# Altium PCB Iris.PcbDoc (part 1 of 13) (continued)
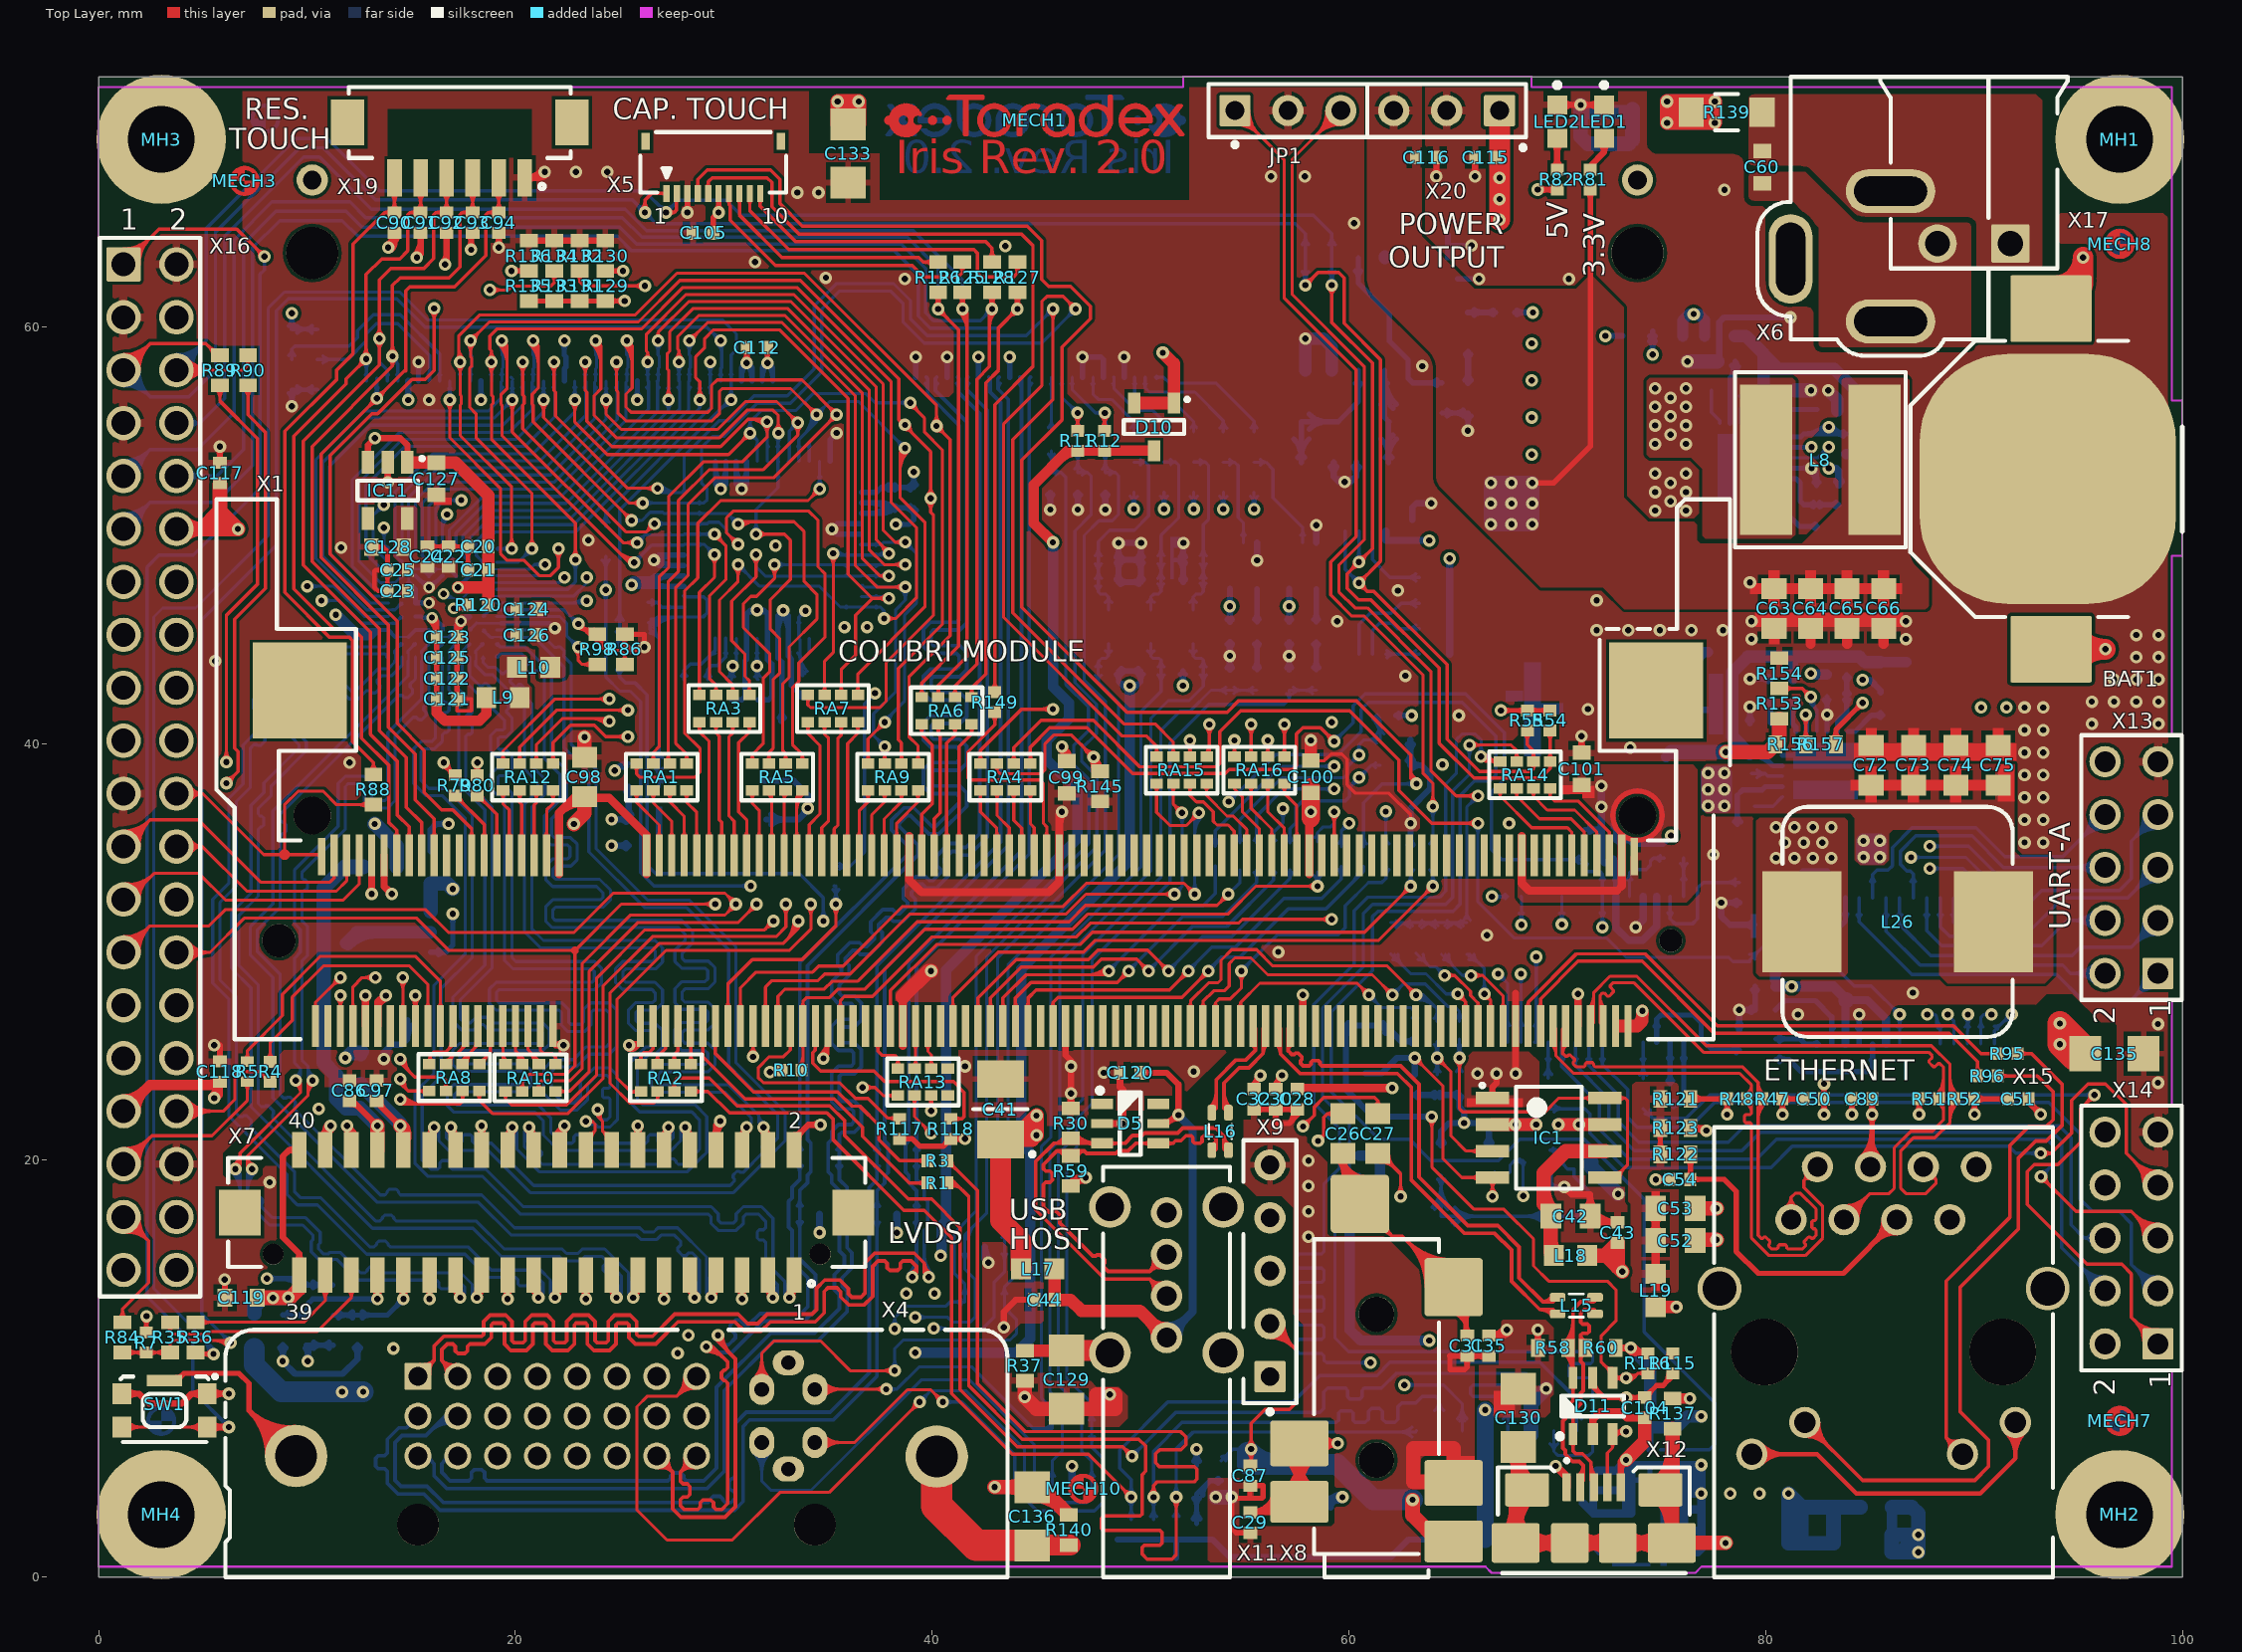
[diagram p0: Top Layer view]
## Components (designator, comment, footprint, x,y, rotation, side; value= is the part's Value field where it differs from the comment) (continued)
C105 "100nF" CAPC1005X60N 29.007,64.516 r0 top
C112 "100nF" CAPC1005X60N 31.598,59.004 r180 top
C115 "100nF" CAPC1005X60N 66.551,68.13 r0 top
C116 "100nF" CAPC1005X60N 63.716,68.13 r0 top
C117 "100nF" CAPC1005X60N 5.817,52.993 r270 top
C118 "100nF" CAPC1005X60N 5.817,24.257 r270 top
C119 "100nF" T_CAPC0603X33N 6.833,13.411 r0 top
C120 "100nF" CAPC1005X60N 49.504,24.206 r0 top
C121 "100nF" CAPC1005X60N 16.713,42.139 r180 top
C122 "100nF" CAPC1005X60N 16.713,43.129 r180 top
C123 "10nF" CAPC1005X60N 16.713,45.118 r180 top
C124 "100nF" CAPC1005X60N 20.549,46.457 r0 top
C125 "10nF" CAPC1005X60N 16.713,44.128 r180 top
C126 "10nF" CAPC1005X60N 20.549,45.212 r0 top
C127 "1uF" T_CAPC0603X33N 16.205,52.705 r90 top
C128 "1uF" T_CAPC0603X33N 13.868,49.428 r0 top
C129 "1nF" T_CAPC1206X180N 46.457,9.474 r90 top
C130 "1nF" T_CAPC1206X180N 68.123,7.645 r270 top
C131 "1nF" T_CAPC1206X180N 84.658,1.626 r0 bottom
C132 "100nF" CAPC1005X60N 63.043,50.241 r270 bottom
C133 "1nF" T_CAPC1206X180N 35.966,68.326 r270 top
C134 "1nF" T_CAPC1206X180N 75.006,70.3 r180 bottom
C135 "1nF" T_CAPC1206X180N 96.749,25.121 r0 top
C136 "1nF" T_CAPC1206X180N 44.806,2.921 r270 top
C137 "1nF" CAPC1005X60N 75.59,3.251 r180 bottom
C138 "100nF" CAPC1005X60N 75.59,1.184 r180 bottom
C139 "22uF" T_CAPC0805X125N 73.558,2.134 r270 bottom
D1 "RCLAMP0504S" T_SOT95P285X90-6N#1 38.303,18.763 r90 bottom
D2 "RCLAMP0504S" T_SOT95P285X90-6N#1 34.595,18.771 r90 bottom
D3 "RCLAMP0504S" T_SOT95P285X90-6N#2 46.711,5.791 r90 bottom
D4 "RCLAMP0504S" T_SOT95P285X90-6N#2 42.52,14.554 r270 bottom
D5 "RCLAMP0504S" T_SOT95P285X90-6N#3 49.504,21.768 r0 top
D6 "TPD2EUSB30DRTR" T_TI_TPD2EUSB30DRTR 71.222,19.939 r0 bottom
D7 "BAT54C" SOT95P230X110-3N 64.567,59.741 r180 bottom
D8 "D-Littelfuse-SMAJ30CA-Schottky" T_LITTLEFUSE_SMAJ30CA 94.615,56.109 r0 bottom
D10 "BAT54C" SOT95P230X110-3N 50.648,55.194 r270 top
D11 "RCLAMP0504S" T_SOT95P285X90-6N#4 71.708,8.209 r90 top
D12 "BAT54C" SOT95P230X110-3N 60.808,25.324 r270 bottom
D13 "SS8P6C-M3/86A" T_DIOM_TO277A 93.193,51.613 r0 bottom
F1 "8A" T_LITTELFUSE_0458 88.163,54.026 r0 bottom
IC1 "TPS2042BD" SOIC127P600X173-8N 69.596,21.082 r0 top
IC2 "ADV7125KSTZ140" QFP50P900X900X120-48N 32.35,49.3 r270 bottom locked
IC3 "SN74LVC1G17DCKR" SOT65P210X110-5N 57.785,48.539 r270 bottom
IC4 "SN65C3243PWR" SOP65P780X200-28N 86.76,29.09 r270 bottom locked
IC5 "AOZ2260QI-10" "T_QFN50P400X400X100-23N (AOZ226x) - PIN22-NC_NOPASTE" 79.045,53.467 r180 bottom
IC6 "SN65C3243PWR" SOP65P780X200-28N 71.845,29.17 r90 bottom locked
IC7 "NCP511SN33T1G" SOT95P279X142-5N 14.58,30.937 r180 bottom
IC8 "M41T0M6" SOIC127P600X173-8N 59.817,60.604 r90 bottom
IC9 "THC63LVD827" BGA72C65P9X9_700X700X120 16.5,46.75 r0 bottom locked
IC10 "SN74LVC1G17DCKR" SOT65P210X110-5N 54.94,48.539 r270 bottom
IC11 "NCV8114ASN180T1G" SOT95P279X142-5N 13.868,52.146 r270 top
IC12 "AT34C02D-XHM-B" TSOP65P650X120-8M 60.808,47.244 r90 bottom
IC13 "MIC94070YMT-TR" T_TDFN0P120X160X60-4N 74.701,5.385 r180 bottom
IC14 "AOZ2260QI-10" "T_QFN50P400X400X100-23N (AOZ226X) - PIN22-NC_NOPASTE" 82.702,38.684 r270 bottom
IC15 "NCV4274CST50T3G" T_ON_NCV4264-2ST50T3G 71.984,41.656 r180 bottom
JP1 "826936-3" T_TYCO_826936-3 54.534,70.38 r0 top
L1 "220R@100MHz" INDC1005X55N 58.435,43.053 r270 bottom
L2 "220R@100MHz" INDC1005X55N 55.59,43.053 r270 bottom
L3 "220R@100MHz" INDC1005X55N 48.311,54.534 r270 bottom
L4 "220R@100MHz" INDC1005X55N 46.99,54.534 r270 bottom
L5 "40R@100MHz" INDC1608X95N 48.463,45.618 r270 bottom
L6 "40R@100MHz" INDC1608X95N 52.527,45.618 r270 bottom
L7 "40R@100MHz" INDC1608X95N 50.495,45.618 r270 bottom
L8 "3.3uH" T_INDM780760 82.626,53.619 r270 top
L9 "220R@100MHz" INDC1608X95N 19.406,42.215 r180 top
L10 "220R@100MHz" INDC1608X95N 20.879,43.663 r0 top
L11 "220R@100MHz" INDC1608X95N 7.468,11.852 r90 bottom
L15 "90R@100MHz" T_MURATA_DLW21SN900SQ2 70.918,13.03 r0 top
L16 "90R@100MHz" T_MURATA_DLW21SN900SQ2 53.823,21.387 r270 top
L17 "220R@100MHz" INDC1608X95N 45.06,14.783 r0 top
L18 "220R@100MHz" INDC1608X95N 70.637,15.43 r0 top
L19 "220R@100MHz" INDC1608X95N 74.722,13.758 r90 top
L21 "220R@100MHz" INDC1608X95N 28.336,37.16 r90 bottom
L23 "36R@100MHz" T_LAIRD_35F0121-0SR-10 94.717,47.066 r180 bottom
L24 "220R@100MHz" INDC1608X95N 14.021,26.721 r0 bottom
L25 "220R@100MHz" INDC1608X95N 12.675,24.409 r270 bottom
L26 "3.3uH" T_INDM110100 86.335,31.445 r270 top
L27 "220R@100MHz" INDC1608X95N 31.09,38.214 r180 bottom
L29 "36R@100MHz" T_LAIRD_35F0121-0SR-10 88.494,48.692 r270 bottom
L31 "220R@100MHz" INDC1608X95N 13.513,34.087 r180 bottom
LED1 "LED" LEDC1608X80N 72.25,69.853 r270 top
LED2 "LED" LEDC1608X80N 70,69.853 r270 top
MECH1 "Toradex_Logo" T_TORADEX_LOGO 44.914,69.911 r0 top
MECH2 "Toradex_Logo" T_TORADEX_LOGO 44.972,69.911 r180 bottom
MECH3 "MECH-Fiducial" T_FIDUCIAL 7,67 r90 top
MECH4 "MECH-Fiducial" T_FIDUCIAL 97,7.5 r270 bottom
MECH5 "MECH-Fiducial" T_FIDUCIAL 97,64 r270 bottom
MECH6 "MECH-Fiducial" T_FIDUCIAL 3,7.5 r270 bottom
MECH7 "MECH-Fiducial" T_Fiducial 97,7.5 r90 top
MECH8 "MECH-Fiducial" T_Fiducial 97.003,63.983 r90 top
MECH9 "MECH-Fiducial" T_Fiducial 8,70 r270 bottom
MECH10 "MECH-Fiducial" T_Fiducial 47.25,4.24 r90 top
MH1 "MECH-MountingHoles" T_MountingHoles#1 97,69 r0 top
MH2 "MECH-MountingHoles" T_MountingHoles#2 3,97 r0 top
MH3 "MECH-MountingHoles" T_MountingHoles#1 3,69 r0 top
MH4 "MECH-MountingHoles" T_MountingHoles#1 3,3 r0 top
OSC1 "CC4V-T1A" T_MC_CC4V-T1A 59.817,55.448 r0 bottom
R1 "22R" RESC1005X40N#1 40.259,18.915 r0 top
R2 "22R" RESC1005X40N#1 53.594,34.595 r90 bottom
R3 "22R" RESC1005X40N#1 40.259,19.981 r0 top
R4 "22R" RESC1005X40N#1 8.23,24.257 r270 top
R5 "22R" RESC1005X40N#2 7.137,24.257 r270 top
R6 "0R" T_RESC0603X30N 26.162,36.36 r0 bottom
R7 "22R" RESC1005X40N#1 2.286,11.254 r270 top
R8 "22R" RESC1005X40N#1 63.17,26.187 r270 bottom
R9 "22R" RESC1005X40N#1 35.381,33.63 r90 bottom
R10 "22R" RESC1005X40N#1 33.249,24.333 r180 top
R11 "1.8K" RESC1005X40N#1 46.982,54.534 r270 top
R12 "1.8K" RESC1005X40N#1 48.265,54.534 r270 top
R13 "1K" RESC1005X40N#1 45.72,54.534 r270 bottom
R14 "0R" T_RESC0603X30N 55.448,52.781 r90 bottom
R15 "0R" T_RESC0603X30N 53.975,52.781 r90 bottom
R16 "0R" T_RESC0603X30N 49.682,52.783 r270 bottom
R17 "0R" T_RESC0603X30N 55.448,54.229 r270 bottom
R18 "0R" T_RESC0603X30N 53.975,54.229 r270 bottom
R19 "0R" T_RESC0603X30N 52.553,52.783 r270 bottom
R20 "0R" T_RESC0603X30N 51.13,52.783 r270 bottom
R21 "0R" T_RESC0603X30N 52.553,54.229 r90 bottom
R22 "0R" T_RESC0603X30N 51.13,54.229 r90 bottom
R23 "0R" T_RESC0603X30N 49.682,54.229 r90 bottom
R24 "100K" T_RESC0603X30N 66.726,19.99 r90 bottom
R25 "150R" RESC1005X40N#1 48.463,47.752 r0 bottom
R26 "150R" RESC1005X40N#1 52.527,47.752 r180 bottom
R27 "100K" T_RESC0603X30N 64.429,19.99 r90 bottom
R28 "150R" RESC1005X40N#1 50.495,47.752 r180 bottom
R29 "100K" T_RESC0603X30N 26.162,37.897 r0 bottom
R30 "15K" T_RESC0603X30N 46.659,21.777 r270 top
R31 "150R" RESC1005X40N#1 30.371,42.581 r90 bottom
R32 "150R" RESC1005X40N#1 31.651,42.581 r90 bottom
R33 "150R" RESC1005X40N#1 34.341,43.3 r180 bottom
R34 "560R" RESC1005X40N#1 26.371,47.254 r270 bottom
R35 "0R" T_RESC0603X30N 3.429,11.506 r270 top
R36 "0R" T_RESC0603X30N 4.648,11.506 r270 top
R37 "1M" T_RESC0603X30N 44.45,10.146 r90 top
R38 "100R" T_RESC0603X30N 52.692,4.648 r270 bottom
R39 "0R" T_RESC0603X30N 24.333,49.708 r90 bottom
R40 "0R" T_RESC0603X30N 11.261,11.852 r270 bottom
R41 "0R" T_RESC0603X30N 11.261,13.299 r270 bottom
R42 "100K" T_RESC0603X30N 12.421,11.852 r270 bottom
R43 "0R" T_RESC0603X30N 9.271,59.157 r270 bottom
R44 "0R" T_RESC0603X30N 10.042,11.852 r90 bottom
R45 "0R" T_RESC0603X30N 10.042,13.299 r90 bottom
R46 "100K" T_RESC0603X30N 8.839,11.852 r270 bottom
R47 "49.9R" RESC1005X40N#1 80.33,22.949 r180 top
R48 "49.9R" RESC1005X40N#1 78.632,22.949 r180 top
R49 "100K" RESC1005X40N#1 64.237,23.622 r270 bottom
R50 "100K" RESC1005X40N#1 65.303,23.622 r270 bottom
R51 "49.9R" RESC1005X40N#1 87.848,22.949 r0 top
R52 "49.9R" RESC1005X40N#1 89.545,22.949 r0 top
R53 "100K" T_RESC0603X30N 64.465,56.591 r270 bottom
R54 "4.7K" RESC1005X40N#1 69.659,41.11 r90 top
R55 "4.7K" RESC1005X40N#1 68.567,41.11 r90 top
R56 "0R" T_RESC0603X30N 65.717,56.591 r270 bottom
R57 "22R" RESC1005X40N#1 67.499,60.691 r180 bottom
R58 "15K" T_RESC0603X30N 69.798,10.998 r0 top
R59 "15K" T_RESC0603X30N 46.659,19.487 r90 top
R60 "15K" T_RESC0603X30N 72.088,10.998 r180 top
R61 "100K" RESC1005X40N#1 63.17,23.622 r270 bottom
R62 "0R" T_RESC0603X30N 77.8,59.563 r180 bottom
R63 "0R" T_RESC0603X30N 9.271,57.71 r270 bottom
R64 "100K" RESC1005X40N#1 83.871,54.381 r90 bottom
R65 "0R" T_RESC0603X30N 84.734,51.13 r90 bottom
R66 "47K" RESC1005X40N#1 83.515,51.943 r90 bottom
R67 "15K" RESC1005X40N#1 82.448,51.943 r270 bottom
R68 "330K" RESC1005X40N#1 82.982,50.419 r0 bottom
R69 "0R" T_RESC0603X30N 75.298,59.563 r180 bottom
R70 "0R" T_RESC0603X30N 73.851,59.563 r180 bottom
R71 "0R" T_RESC0603X30N 85.522,43.18 r270 bottom
R72 "0R" T_RESC0603X30N 77.826,58.344 r0 bottom
R73 "47K" RESC1005X40N#1 83.414,43.311 r180 bottom
R74 "8.87K" RESC1005X40N#1 83.414,42.244 r0 bottom
R75 "0R" T_RESC0603X30N 10.49,59.16 r270 bottom
R76 "33R" RESC1005X40N#1 55.59,45.364 r270 bottom
R77 "22R" RESC1005X40N#1 65.303,26.187 r270 bottom
R78 "22R" RESC1005X40N#1 24.994,44.171 r90 bottom
R79 "22R" RESC1005X40N#1 17.104,37.992 r90 top
R80 "22R" RESC1005X40N#1 18.171,37.992 r90 top
R81 "560R" RESC1005X40N#1 71.59,67.067 r270 top
R82 "1K" RESC1005X40N#1 70,67.067 r270 top
R83 "10K" T_RESC0603X30N 62.23,40.183 r0 bottom
R84 "0R" T_RESC0603X30N 1.143,11.506 r90 top
R85 "10K" T_RESC0603X30N 62.23,38.964 r0 bottom
R86 "10K" T_RESC0603X30N 25.25,44.526 r90 top
R87 "22R" RESC1005X40N#1 64.237,26.187 r270 bottom
R88 "0R" T_RESC0603X30N 13.183,37.795 r270 top
R89 "0R" T_RESC0603X30N 5.817,57.913 r270 top
R90 "0R" T_RESC0603X30N 7.163,57.913 r270 top
R91 "0R" T_RESC0603X30N 10.49,57.71 r90 bottom
R92 "0R" T_RESC0603X30N 25.73,45.644 r0 bottom
R93 "0R" T_RESC0603X30N 69.57,23.225 r270 bottom
R94 "0R" T_RESC0603X30N 74.12,23.2 r270 bottom
R95 "150R" RESC1005X40N#1 91.618,25.121 r0 top
R96 "150R" RESC1005X40N#1 90.653,24.05 r0 top
R97 "33R" RESC1005X40N#1 58.435,45.364 r270 bottom
R98 "0R" T_RESC0603X30N 23.927,44.526 r270 top
R99 "0R" T_RESC0603X30N 26.162,35.103 r0 bottom
R100 "100K" RESC1005X40N#1 62.967,34.569 r270 bottom
R101 "33K" RESC1005X40N#2 60.02,20.218 r0 bottom
R102 "68K" RESC1005X40N#1 49.555,2.286 r270 bottom
R103 "68K" RESC1005X40N#1 61.011,19.329 r0 bottom
R104 "68K" RESC1005X40N#1 50.622,2.286 r270 bottom
R105 "68K" RESC1005X40N#1 51.714,2.286 r270 bottom
R106 "100K" T_RESC0603X30N 79.959,29.54 r180 bottom
R107 "100K" T_RESC0603X30N 71.323,35.154 r270 bottom
R108 "10K" RESC1005X40N#1 64.033,34.569 r90 bottom
R109 "100R" T_RESC0603X30N 62.001,30.607 r270 bottom
R110 "0R" T_RESC0603X30N 58.496,34.569 r90 bottom
R111 "100R" T_RESC0603X30N 63.221,30.607 r270 bottom
R112 "100R" T_RESC0603X30N 65.659,30.607 r270 bottom
R113 "100R" T_RESC0603X30N 64.44,30.607 r270 bottom
R114 "22R" T_RESC0603X30N 26.162,39.065 r0 bottom
R115 "560R" RESC1005X40N#1 75.54,10.262 r90 top
R116 "1K" RESC1005X40N#1 74.346,10.262 r90 top
R117 "100K" RESC1005X40N#1 38.43,21.514 r90 top
R118 "100K" RESC1005X40N#1 40.894,21.514 r90 top
R119 "100K" RESC1005X40N#1 61.773,41.351 r180 bottom
R120 "100K" RESC1005X40N#1 18.212,46.66 r180 top
R121 "0R" T_RESC0603X30N 75.673,22.949 r180 top
R122 "0R" T_RESC0603X30N 75.673,20.286 r0 top
R123 "0R" T_RESC0603X30N 75.673,21.556 r0 top
R124 "2.2K" RESC1005X40N#1 53.873,5.105 r90 bottom
R125 "0R" T_RESC0603X30N 41.453,62.382 r90 top
R126 "0R" T_RESC0603X30N 40.284,62.382 r90 top
R127 "0R" T_RESC0603X30N 44.094,62.382 r90 top
R128 "0R" T_RESC0603X30N 42.875,62.382 r90 top
R129 "100K" T_RESC0603X30N 24.308,61.962 r90 top
R130 "100K" T_RESC0603X30N 24.308,63.41 r90 top
R131 "100K" T_RESC0603X30N 23.089,61.964 r90 top
R132 "100K" T_RESC0603X30N 23.089,63.412 r90 top
R133 "100K" T_RESC0603X30N 21.869,61.964 r90 top
R134 "100K" T_RESC0603X30N 21.869,63.412 r90 top
R135 "100K" T_RESC0603X30N 20.642,61.964 r90 top
R136 "100K" T_RESC0603X30N 20.642,63.412 r90 top
R137 "1M" T_RESC0603X30N 75.54,7.849 r270 top
R138 "1M" T_RESC0603X30N 85.344,3.353 r0 bottom
R139 "0R" T_RESC3216X760N 78.13,70.3 r180 top
R140 "1M" T_RESC0603X30N 46.558,2.261 r270 top
R141 "1K" T_RESC0603X30N 64.11,44.294 r0 bottom
R142 "1K" T_RESC0603X30N 64.11,45.517 r0 bottom
R143 "1K" T_RESC0603X30N 64.11,46.736 r0 bottom
R144 "1K" T_RESC0603X30N 64.11,47.955 r0 bottom
R145 "10K" T_RESC0603X30N 48.057,37.948 r270 top
R146 "22R" RESC1005X40N#1 60.706,34.569 r90 bottom
R147 "22R" RESC1005X40N#1 61.773,34.569 r90 bottom
R148 "22R" RESC1005X40N#1 59.639,34.569 r90 bottom
R149 "22R" RESC1005X40N#1 43.008,41.986 r90 top
R150 "100K" RESC1005X40N#1 81.305,42.621 r270 bottom
R151 "0R" T_RESC0603X30N 86.766,43.18 r90 bottom
R152 "470K" RESC1005X40N#1 86.106,41.363 r0 bottom
R153 "0R" T_RESC0603X30N 80.657,41.924 r90 top
R154 "0R" T_RESC0603X30N 80.657,43.372 r90 top
R155 "0R" T_RESC0603X30N 78.562,35.382 r90 bottom
R156 "0R" T_RESC0603X30N 81.204,39.968 r180 top
R157 "0R" T_RESC0603X30N 82.652,39.968 r0 top
R158 "0R" T_RESC0603X30N 55.347,4.623 r270 bottom
RA1 "22R" T_RESISTOR_ARRAY_X4 25.817,37.746 r90 top
RA2 "22R" T_RESISTOR_ARRAY_X4 28.423,24.613 r270 top
RA3 "22R" T_RESISTOR_ARRAY_X4 28.829,41.032 r90 top
RA4 "22R" T_RESISTOR_ARRAY_X4 42.316,37.746 r90 top
RA5 "22R" T_RESISTOR_ARRAY_X4 31.369,37.746 r90 top
RA6 "22R" T_RESISTOR_ARRAY_X4 39.497,40.93 r90 top
RA7 "22R" T_RESISTOR_ARRAY_X4 34.036,41.032 r90 top
RA8 "22R" T_RESISTOR_ARRAY_X4 18.263,24.627 r270 top
RA9 "22R" T_RESISTOR_ARRAY_X4 36.924,37.746 r90 top
RA10 "22R" T_Resistor_Array_X4 21.926,24.613 r270 top
RA11 "22R" T_RESISTOR_ARRAY_X4 57.175,33.934 r90 bottom
RA12 "22R" T_RESISTOR_ARRAY_X4 19.406,37.746 r90 top
RA13 "22R" T_RESISTOR_ARRAY_X4 40.755,24.41 r270 top
RA14 "22R" T_Resistor_Array_X4 67.259,37.848 r90 top
RA15 "22R" T_Resistor_Array_X4 50.775,38.076 r90 top
RA16 "22R" T_Resistor_Array_X4 54.508,38.076 r90 top
SW1 "KMR211GLFS" T_CnK_KMR211GLFS 3.16,8 r0 top locked
T3 "T-DiodeInc-DMG1012T" T_SOT50P160X80-3N 69.012,19.99 r180 bottom
X1 "1473005-1" T_TYCO_1473005-1 10.4,26.446 r90 top locked
X2 "52435-2471" T_MOLEX_52435-2471 39.22,57.58 r0 bottom locked
X3 "FH34SRJ-40S-0.5SH" T_HIROSE_FH34SRJ-40S-0.5SH 22.6,58.5 r0 bottom locked
X4 "CON-Molex-74320-1004-31" T_MOLEX_74320-1004 6.433,0 r0 top locked
X5 "FH34SRJ-10S-0.5SH" T_HIROSE_FH34SRJ-10S-0.5SH 29.5,67.5 r180 top locked
X6 "RAPC722X" T_RAPC722X 86,74 r180 top locked
X7 "DF13EA-40DP-1.25V(76)" T_HIROSE_DF13A-40DP-1.25V(55) 21.5,17.5 r180 top locked
X8 "SJ-43516-SMT" T_CI_SJ-43516-SMT 61.329,1.115 r90 top locked
X9 "961105-6404-AR" T_3M_961105-6404-AR 56.213,9.62 r90 top locked
X10 "MicroSD Holder" T_Wurth_693071010811 72.179,17.715 r0 bottom locked
X11 "CON-Fci-73725-0110BLF" T_FCI_73725-0110BLF 48.372,0 r0 top locked
X12 "ZX62-AB-5PA(31)" CON-MICROUSB2.0-TYPE_AB-SMD 71.756,1.64 r0 top locked
X13 "77313-101-10-LF-woA10" T_FCI_77313-101-10-LF-WOA10 98.832,28.974 r90 top
X14 "77313-101-10-LF-woA10" T_FCI_77313-101-10-LF-WOA10 98.832,11.194 r90 top locked
X15 "JX0011D21BNL" T_PULSE_J00-0065NL 93.796,0 r180 top locked
X16 "21B22564-40S10B-01G" T_JVE_21B22564-40S10B-01G 1.191,63 r270 top locked
X17 "284512-2" T_TYCO_284512-2 94,72 r180 top locked
X19 "DF13C-6P-1.25V(51)" T_HIROSE_DF13C-6P-1.25V(51) 17.323,68.48 r180 top locked
X20 "826936-3" T_TYCO_826936-3 67.234,70.38 r180 top locked

## Footprints (in the part's own frame and the unit in brackets; to place one, negate y for a bottom-side part, rotate by r counter-clockwise, add the part's x,y. Pads: shape width x height; smd on the part's side, far side on the other; paste and mask are expansions set on the pad)
BGA72C65P9X9_700X700X120 [mm] "BGA, 72-Leads, Body 7.0x7.0mm,  Pitch 0.65mm"
  round 0.33 smd mask+0.07: A1(-2.6,2.6) A2(-1.95,2.6) A3(-1.3,2.6) A4(-0.65,2.6) A5(0,2.6) A6(0.65,2.6) A7(1.3,2.6) B2(-1.95,1.95) B5(0,1.95) B9(2.6,1.95) C2(-1.95,1.3) C5(0,1.3) G2(-1.95,-1.3) G3(-1.3,-1.3) H3(-1.3,-1.95)
  round 0.34 smd mask+0.07: A8(1.95,2.6) A9(2.6,2.6) B1(-2.6,1.95) B3(-1.3,1.95) B4(-0.65,1.95) B6(0.65,1.95) B7(1.3,1.95) B8(1.95,1.95) C1(-2.6,1.3) C3(-1.3,1.3) C4(-0.65,1.3) C6(0.65,1.3) C7(1.3,1.3) C8(1.95,1.3) C9(2.6,1.3) D1(-2.6,0.65) D2(-1.95,0.65) D3(-1.3,0.65) D7(1.3,0.65) D8(1.95,0.65) D9(2.6,0.65) E1(-2.6,0) E2(-1.95,0) E3(-1.3,0) E7(1.3,0) E8(1.95,0) E9(2.6,0) F1(-2.6,-0.65) F2(-1.95,-0.65) F3(-1.3,-0.65) F7(1.3,-0.65) F8(1.95,-0.65) F9(2.6,-0.65) G1(-2.6,-1.3) G4(-0.65,-1.3) G5(0,-1.3) G6(0.65,-1.3) G7(1.3,-1.3) G8(1.95,-1.3) G9(2.6,-1.3) H1(-2.6,-1.95) H2(-1.95,-1.95) H4(-0.65,-1.95) H5(0,-1.95) H6(0.65,-1.95) H7(1.3,-1.95) H8(1.95,-1.95) H9(2.6,-1.95) J1(-2.6,-2.6) J2(-1.95,-2.6) J3(-1.3,-2.6) J4(-0.65,-2.6) J5(0,-2.6) J6(0.65,-2.6) J7(1.3,-2.6) J8(1.95,-2.6) J9(2.6,-2.6)
  silkscreen extent -4.27,-3.5 3.5,3.5, body extent -3.5,-3.5 3.5,3.5, height 1.2
CAPC1005X60N [mm]
  rect 0.58x0.66 smd: 1(-0.49,0) 2(0.49,0)
  body extent -0.5,-0.25 0.5,0.25, height 0.6
CAPC3225X160N [mm]
  rect 1.15x2.7 smd: 1(-1.5,0) 2(1.5,0)
  silkscreen extent -0.55,-1.25 0.55,1.25, body extent -1.6,-1.26 1.6,1.26, height 1.62
CAPMP3528X210N [mm]
  rect 1.8x2.25 smd: 1(-1.45,0) 2(1.45,0)
  silkscreen extent -2.24,-1.6 0,1.3, body extent -1.85,-1.5 1.85,1.5, height 1.9
CON-MICROUSB2.0-TYPE_AB-SMD [mm] "USB - micro AB USB 2.0, 5 Position, Surface Mount, Right Angle, Horizontal"
  rrect12% 0.4x1.35 smd: 1(-1.3,2.675) 2(-0.65,2.675) 3(0,2.675) 4(0.65,2.675) 5(1.3,2.675)
  rrect12% 2.3x1.9 smd: S1(-3.75,0) S1(3.75,0)
  rrect12% 1.8x1.9 smd: S2(-1.15,0) S2(1.15,0)
  rrect12% 2.1x1.6 smd paste-0.2: S3(-3.2,2.55) S3(3.2,2.55)
  silkscreen extent -4.6,-1.45 4.6,4, body extent -4.4,-2.75 4.4,2.85, height 2.77
INDC1005X55N [mm] "Ferrite Bead 0402 (1005 metric), max height 0.55mm"
  rect 0.58x0.66 smd: 1(-0.49,0) 2(0.49,0)
  body extent -0.5,-0.25 0.5,0.25, height 0.5
INDC1608X95N [mm] "Ferrite Bead 0603 (1608 metric), max height 0.95mm"
  rect 0.95x1 smd: 1(-0.8,0) 2(0.8,0)
  body extent -0.8,-0.4 0.8,0.4, height 0.8
LEDC1608X80N [mm]
  rect 0.9x0.95 smd: 1(-0.8,0) 2(0.8,0)
  silkscreen extent -1.87,-0.12 -1.63,0.13, body extent -0.85,-0.45 0.85,0.45, height 0.9
QFP50P900X900X120-48N [mm]
  rect 1.6x0.3 smd: 1(-4.25,2.75) 2(-4.25,2.25) 3(-4.25,1.75) 4(-4.25,1.25) 5(-4.25,0.75) 6(-4.25,0.25) 7(-4.25,-0.25) 8(-4.25,-0.75) 9(-4.25,-1.25) 10(-4.25,-1.75) 11(-4.25,-2.25) 12(-4.25,-2.75) 25(4.25,-2.75) 26(4.25,-2.25) 27(4.25,-1.75) 28(4.25,-1.25) 29(4.25,-0.75) 30(4.25,-0.25) 31(4.25,0.25) 32(4.25,0.75) 33(4.25,1.25) 34(4.25,1.75) 35(4.25,2.25) 36(4.25,2.75)
  rect 0.3x1.6 smd: 13(-2.75,-4.25) 14(-2.25,-4.25) 15(-1.75,-4.25) 16(-1.25,-4.25) 17(-0.75,-4.25) 18(-0.25,-4.25) 19(0.25,-4.25) 20(0.75,-4.25) 21(1.25,-4.25) 22(1.75,-4.25) 23(2.25,-4.25) 24(2.75,-4.25) 37(2.75,4.25) 38(2.25,4.25) 39(1.75,4.25) 40(1.25,4.25) 41(0.75,4.25) 42(0.25,4.25) 43(-0.25,4.25) 44(-0.75,4.25) 45(-1.25,4.25) 46(-1.75,4.25) 47(-2.25,4.25) 48(-2.75,4.25)
  round 1 smd paste-1 mask+0: 49(-4.25,-4.25) 50(4.25,4.25)
  Top Layer pour cut-out: 5.25,4.25 5.249,4.306 5.244,4.362 5.236,4.418 5.225,4.473 5.211,4.527 5.194,4.58 5.174,4.633 5.151,4.684 5.126,4.734 5.097,4.782 5.066,4.829 5.032,4.874 4.996,4.917 4.957,4.957 4.917,4.996 4.874,5.032 4.829,5.066 4.782,5.097 4.734,5.126 4.684,5.151 4.633,5.174 4.58,5.194 4.527,5.211 4.473,5.225 4.418,5.236 4.362,5.244 4.306,5.249 4.25,5.25 4.194,5.249 4.138,5.244 4.082,5.236 4.027,5.225 3.973,5.211 3.92,5.194 3.867,5.174 3.816,5.151 3.766,5.126 3.718,5.097 3.671,5.066 3.626,5.032 3.583,4.996 3.543,4.957 3.504,4.917 3.468,4.874 3.434,4.829 3.403,4.782 3.374,4.734 3.349,4.684 3.326,4.633 3.306,4.58 3.289,4.527 3.275,4.473 3.264,4.418 3.256,4.362 3.251,4.306 3.25,4.25 3.251,4.194 3.256,4.138 3.264,4.082 3.275,4.027 3.289,3.973 3.306,3.92 3.326,3.867 3.349,3.816 3.374,3.766 3.403,3.718 3.434,3.671 3.468,3.626 3.504,3.583 3.543,3.543 3.583,3.504 3.626,3.468 3.671,3.434 3.718,3.403 3.766,3.374 3.816,3.349 3.867,3.326 3.92,3.306 3.973,3.289 4.027,3.275 4.082,3.264 4.138,3.256 4.194,3.251 4.25,3.25 4.306,3.251 4.362,3.256 4.418,3.264 4.473,3.275 4.527,3.289 4.58,3.306 4.633,3.326 4.684,3.349 4.734,3.374 4.782,3.403 4.829,3.434 4.874,3.468 4.917,3.504 4.957,3.543 4.996,3.583 5.032,3.626 5.066,3.671 5.097,3.718 5.126,3.766 5.151,3.816 5.174,3.867 5.194,3.92 5.211,3.973 5.225,4.027 5.236,4.082 5.244,4.138 5.249,4.194 5.25,4.25
  Top Layer pour cut-out: -3.25,-4.25 -3.251,-4.194 -3.256,-4.138 -3.264,-4.082 -3.275,-4.027 -3.289,-3.973 -3.306,-3.92 -3.326,-3.867 -3.349,-3.816 -3.374,-3.766 -3.403,-3.718 -3.434,-3.671 -3.468,-3.626 -3.504,-3.583 -3.543,-3.543 -3.583,-3.504 -3.626,-3.468 -3.671,-3.434 -3.718,-3.403 -3.766,-3.374 -3.816,-3.349 -3.867,-3.326 -3.92,-3.306 -3.973,-3.289 -4.027,-3.275 -4.082,-3.264 -4.138,-3.256 -4.194,-3.251 -4.25,-3.25 -4.306,-3.251 -4.362,-3.256 -4.418,-3.264 -4.473,-3.275 -4.527,-3.289 -4.58,-3.306 -4.633,-3.326 -4.684,-3.349 -4.734,-3.374 -4.782,-3.403 -4.829,-3.434 -4.874,-3.468 -4.917,-3.504 -4.957,-3.543 -4.996,-3.583 -5.032,-3.626 -5.066,-3.671 -5.097,-3.718 -5.126,-3.766 -5.151,-3.816 -5.174,-3.867 -5.194,-3.92 -5.211,-3.973 -5.225,-4.027 -5.236,-4.082 -5.244,-4.138 -5.249,-4.194 -5.25,-4.25 -5.249,-4.306 -5.244,-4.362 -5.236,-4.418 -5.225,-4.473 -5.211,-4.527 -5.194,-4.58 -5.174,-4.633 -5.151,-4.684 -5.126,-4.734 -5.097,-4.782 -5.066,-4.829 -5.032,-4.874 -4.996,-4.917 -4.957,-4.957 -4.917,-4.996 -4.874,-5.032 -4.829,-5.066 -4.782,-5.097 -4.734,-5.126 -4.684,-5.151 -4.633,-5.174 -4.58,-5.194 -4.527,-5.211 -4.473,-5.225 -4.418,-5.236 -4.362,-5.244 -4.306,-5.249 -4.25,-5.25 -4.194,-5.249 -4.138,-5.244 -4.082,-5.236 -4.027,-5.225 -3.973,-5.211 -3.92,-5.194 -3.867,-5.174 -3.816,-5.151 -3.766,-5.126 -3.718,-5.097 -3.671,-5.066 -3.626,-5.032 -3.583,-4.996 -3.543,-4.957 -3.504,-4.917 -3.468,-4.874 -3.434,-4.829 -3.403,-4.782 -3.374,-4.734 -3.349,-4.684 -3.326,-4.633 -3.306,-4.58 -3.289,-4.527 -3.275,-4.473 -3.264,-4.418 -3.256,-4.362 -3.251,-4.306 -3.25,-4.25
  silkscreen extent -4.92,-3.1 3.1,3.52, body extent -4.5,-4.51 4.5,4.5, height 1.53
RESC1005X40N#1 [mm]
  rect 0.57x0.62 smd: 1(-0.48,0) 2(0.48,0)
  body extent -0.5,-0.25 0.5,0.25, height 0.35
RESC1005X40N#2 [mm]
  rect 0.5x0.62 smd: 1(-0.48,0) 2(0.48,0)
  body extent -0.5,-0.25 0.5,0.25, height 0.35
SOIC127P600X173-8N [mm]
  rect 1.6x0.6 smd: 1(-2.7,1.905) 2(-2.7,0.635) 3(-2.7,-0.635) 4(-2.7,-1.905) 5(2.7,-1.905) 6(2.7,-0.635) 7(2.7,0.635) 8(2.7,1.905)
  silkscreen extent -3.29,-2.45 1.58,2.61, body extent -3.11,-2.5 3.11,2.5, height 1.75
SOP65P780X200-28N [mm]
  rect 1.85x0.45 smd: 1(-3.5,4.225) 2(-3.5,3.575) 3(-3.5,2.925) 4(-3.5,2.275) 5(-3.5,1.625) 6(-3.5,0.975) 7(-3.5,0.325) 8(-3.5,-0.325) 9(-3.5,-0.975) 10(-3.5,-1.625) 11(-3.5,-2.275) 12(-3.5,-2.925) 13(-3.5,-3.575) 14(-3.5,-4.225) 15(3.5,-4.225) 16(3.5,-3.575) 17(3.5,-2.925) 18(3.5,-2.275) 19(3.5,-1.625) 20(3.5,-0.975) 21(3.5,-0.325) 22(3.5,0.325) 23(3.5,0.975) 24(3.5,1.625) 25(3.5,2.275) 26(3.5,2.925) 27(3.5,3.575) 28(3.5,4.225)
  silkscreen extent -4.27,-5.1 2.16,5.1, body extent -4.05,-4.85 4.05,4.85, height 1.2
SOT65P210X110-5N [mm]
  rect 0.95x0.4 smd: 1(-1.1,0.65) 2(-1.1,0) 3(-1.1,-0.65) 4(1.1,-0.65) 5(1.1,0.65)
  silkscreen extent -1.33,-1 0.3,1.27, body extent -1.19,-1.08 1.19,1.07, height 1.09
SOT95P230X110-3N [mm]
  rect 1x0.6 smd: 1(-1.15,0.95) 2(-1.15,-0.95) 3(1.15,0)
  silkscreen extent -1.4,-1.45 0.33,1.67, body extent -1.25,-1.5 1.25,1.5, height 1.09
SOT95P279X142-5N [mm]
  rect 1.1x0.6 smd: 1(-1.35,0.95) 2(-1.35,0) 3(-1.35,-0.95) 4(1.35,-0.95) 5(1.35,0.95)
  silkscreen extent -1.61,-1.45 0.48,1.73, body extent -1.4,-1.45 1.4,1.45, height 1.45
T_3M_961105-6404-AR [mm] "Connector; Header; 35 Position"
  rrect10% 1.5x1.5 hole 0.9: 1(0,0)
  round 1.5 hole 0.9: 2(2.54,0) 3(5.08,0) 4(7.62,0) 5(10.16,0)
  silkscreen extent -1.79,-1.27 11.34,1.27, body extent -1.27,-1.27 11.43,1.27, height 8.4
T_CAPC0603X33N [mm] "Ceramic Capacitor 0603 (1608 metric), max height 0.9mm"
  rect 0.7x0.85 smd: 1(-0.775,0) 2(0.775,0)
  body extent -0.8,-0.4 0.8,0.4, height 0.9
T_CAPC0805X125N [mm] "Ceramic Capacitor 0805 (2012 metric), max height 1.25mm"
  rect 1x1.2 smd: 1(-0.95,0) 2(0.95,0)
  body extent -1,-0.62 1,0.63, height 1
T_CAPC1206X180N [mm] "Ceramic Capacitor 1206 (3216 metric), max height 1.8mm"
  rect 1.524x1.7 smd: 1(-1.397,0) 2(1.397,0)
  body extent -1.6,-0.8 1.6,0.8, height 1
T_CI_SJ-43516-SMT [mm] "STEREO_3.5mm AUDIO JACK  CUI"
  rrect12% 2x2.8 smd: 1(0.6,-3.7) 6(2.5,3.7)
  rrect12% 2.8x2.8 smd: 2(12.8,-3.7) 5(16.8,0.8)
  rrect12% 2.2x2.8 smd: 3(5.3,3.7) 4(3.4,-3.7)
  round 1.7 hole 1.7 unplated: X(4.5,0) X(11.5,0)
  silkscreen extent -1.11,-3 15.1,3, body extent -1.7,-4.5 17.5,4.5, height 5.12
T_CnK_KMR211GLFS [mm] "Microminiature Tact Switch for SMT"
  rect 0.9x1 smd: 1(2.05,0.8) 2(2.05,-0.8) 3(-2.05,0.8) 4(-2.05,-0.8)
  rect 1.7x0.55 smd: 5(0,1.43)
  silkscreen extent -2.11,-1.51 2.52,1.72, body extent -2.3,-1.51 2.3,1.49, height 2.12
T_DIOM_TO277A [mm] "Molded Diode, 3-Leads, Body 4.75x6.65mm, IPC Medium Density"
  rect 1.35x1.5 smd: A1(3.805,1.065) A2(3.805,-1.065)
  rect 4.9x4.85 smd paste-0.5: K(0,0)
  silkscreen extent -2.79,-2.72 4.83,2.72, body extent -2.28,-2.38 4.37,2.37, height 1.2
T_FCI_73725-0110BLF [mm] "USB Type A Connector Vertical"
  round 1.5 hole 0.95: 1(2.88,11.49) 2(2.88,13.49) 3(2.88,15.49) 4(2.88,17.49)
  round 2 hole 1.37: S1(0.16,10.76) S1(5.6,17.76) S2(0.16,17.76) S2(5.6,10.76)
  silkscreen extent -0.17,0 5.93,19.68, body extent -0.66,-0.76 6.46,18.5, height 14.57
T_FCI_77313-101-10-LF-WOA10 [mm] "2.54 mm header"
  rrect10% 1.5x1.5 hole 1: 1(0,0)
  round 1.5 hole 1: 2(0,2.54) 3(2.54,0) 4(2.54,2.54) 5(5.08,0) 6(5.08,2.54) 7(7.62,0) 8(7.62,2.54) 9(10.16,0) 10(10.16,2.54)
  silkscreen extent -1.27,-1.14 11.43,3.68, body extent -1.07,-1.14 11.23,3.69, height 8.39
T_FIDUCIAL [mm] "Fiducial"
  Top Layer region: 0,-0.625 -0.375,-0.5 -0.625,-0.25 -0.625,0 0,0
  Top Layer region: 0.625,0 0,0 0,0.625 0.375,0.5 0.625,0.25
  Top Layer lines w0.203: 0,0.625 cw(c0,0) 0,-0.625 cw(c0,0) 0,0.625
T_Fiducial [mm] "Fiducial"
  Top Layer region: 0,-0.625 -0.375,-0.5 -0.625,-0.25 -0.625,0 0,0
  Top Layer region: 0.625,0 0,0 0,0.625 0.375,0.5 0.625,0.25
  Top Layer lines w0.203: 0,0.625 cw(c0,0) 0,-0.625 cw(c0,0) 0,0.625
T_HIROSE_DF13A-40DP-1.25V(55) [mm]
  rect 0.7x1.7 smd: 1(-11.875,3) 2(-11.875,-3) 3(-10.625,3) 4(-10.625,-3) 5(-9.375,3) 6(-9.375,-3) 7(-8.125,3) 8(-8.125,-3) 9(-6.875,3) 10(-6.875,-3) 11(-5.625,3) 12(-5.625,-3) 13(-4.375,3) 14(-4.375,-3) 15(-3.125,3) 16(-3.125,-3) 17(-1.875,3) 18(-1.875,-3) 19(-0.625,3) 20(-0.625,-3) 21(0.625,3) 22(0.625,-3) 23(1.875,3) 24(1.875,-3) 25(3.125,3) 26(3.125,-3) 27(4.375,3) 28(4.375,-3) 29(5.625,3) 30(5.625,-3) 31(6.875,3) 32(6.875,-3) 33(8.125,3) 34(8.125,-3) 35(9.375,3) 36(9.375,-3) 37(10.625,3) 38(10.625,-3) 39(11.875,3) 40(11.875,-3)
  rect 2x2.2 smd: ""(-14.725,0) ""(14.725,0)
  round 1 hole 1 unplated paste+0 mask+0: ""(-13.125,2) ""(13.125,2)
  Top Layer pour cut-out: -12.4,-2.15 12.375,-2.15 12.375,2.15 -12.4,2.15
  silkscreen extent -15.29,-2.62 15.29,3.54, body extent -15.42,-3.45 15.43,3.45, height 4.82
T_HIROSE_DF13C-6P-1.25V(51) [mm] "Touch connector"
  rect 0.7x1.8 smd: 1(-3.125,1.325) 2(-1.875,1.325) 3(-0.625,1.325) 4(0.625,1.325) 5(1.875,1.325) 6(3.125,1.325)
  rect 1.6x2.2 smd: ""(-5.385,-1.324) ""(5.385,-1.324)
  silkscreen extent -5.33,-3.02 5.33,1.87, body extent -6.07,-3.02 6.08,1.88, height 4.82
T_HIROSE_FH34SRJ-10S-0.5SH [mm] "FFC Connector, 10 pin, 0.5mm pitch, dual side contact"
  rect 0.3x0.8 smd: 1(2.25,1.1) 2(1.75,1.1) 3(1.25,1.1) 4(0.75,1.1) 5(0.25,1.1) 6(-0.25,1.1) 7(-0.75,1.1) 8(-1.25,1.1) 9(-1.75,1.1) 10(-2.25,1.1)
  rect 0.4x0.8 smd: ""(-3.25,-1.4) ""(3.25,-1.4)
  silkscreen extent -3.5,-1.85 3.5,1.05, body extent -3.5,-1.85 3.5,1.85, height 0.98
T_HIROSE_FH34SRJ-40S-0.5SH [mm] "FFC Connector, 40 pin, 0.5mm pitch, dual side contact"
  rect 0.3x0.8 smd: 1(9.75,1.1) 2(9.25,1.1) 3(8.75,1.1) 4(8.25,1.1) 5(7.75,1.1) 6(7.25,1.1) 7(6.75,1.1) 8(6.25,1.1) 9(5.75,1.1) 10(5.25,1.1) 11(4.75,1.1) 12(4.25,1.1) 13(3.75,1.1) 14(3.25,1.1) 15(2.75,1.1) 16(2.25,1.1) 17(1.75,1.1) 18(1.25,1.1) 19(0.75,1.1) 20(0.25,1.1) 21(-0.25,1.1) 22(-0.75,1.1) 23(-1.25,1.1) 24(-1.75,1.1) 25(-2.25,1.1) 26(-2.75,1.1) 27(-3.25,1.1) 28(-3.75,1.1) 29(-4.25,1.1) 30(-4.75,1.1) 31(-5.25,1.1) 32(-5.75,1.1) 33(-6.25,1.1) 34(-6.75,1.1) 35(-7.25,1.1) 36(-7.75,1.1) 37(-8.25,1.1) 38(-8.75,1.1) 39(-9.25,1.1) 40(-9.75,1.1)
  rect 0.4x0.8 smd: ""(-10.75,-1.4) ""(10.75,-1.4)
  silkscreen extent -11,-1.85 11,1.05, body extent -11,-1.85 11,1.85, height 0.98
T_INDM110100 [mm] "Inductor shielded, 11mm x 10mm (Bourns, SRP1038A; Vishay, IHLP4040DZ-8A)"
  rect 4.86x3.8 smd: 1(0,-4.6) 2(0,4.6)
  silkscreen extent -5.52,-5.52 5.52,5.52, body extent -5,-5.2 5,5.2, height 3.8
T_INDM780760 [mm] "Inductor shielded, 7.80mm x 7.60mm (Pulse, PA5007.332NLT; Abracon, ASPIAIG-F7030-3R3M-T)"
  rect 7.2x2.5 smd: 1(0,-2.6) 2(0,2.6)
  silkscreen extent -4.2,-4.1 4.2,4.1, body extent -3.9,-3.8 3.9,3.8, height 3.1
T_JVE_21B22564-40S10B-01G [mm] "Header 2x20"
  rrect10% 1.65x1.65 hole 1.15: 1(0,0)
  round 1.65 hole 1.15: 2(0,2.54) 3(2.54,0) 4(2.54,2.54) 5(5.08,0) 6(5.08,2.54) 7(7.62,0) 8(7.62,2.54) 9(10.16,0) 10(10.16,2.54) 11(12.7,0) 12(12.7,2.54) 13(15.24,0) 14(15.24,2.54) 15(17.78,0) 16(17.78,2.54) 17(20.32,0) 18(20.32,2.54) 19(22.86,0) 20(22.86,2.54) 21(25.4,0) 22(25.4,2.54) 23(27.94,0) 24(27.94,2.54) 25(30.48,0) 26(30.48,2.54) 27(33.02,0) 28(33.02,2.54) 29(35.56,0) 30(35.56,2.54) 31(38.1,0) 32(38.1,2.54) 33(40.64,0) 34(40.64,2.54) 35(43.18,0) 36(43.18,2.54) 37(45.72,0) 38(45.72,2.54) 39(48.26,0) 40(48.26,2.54)
  silkscreen extent -1.27,-1.14 49.53,3.68, body extent -1.27,-1.27 49.53,3.81, height 8.4
T_KEYSTONE_3000 [mm] "Battery Holder"
  rrect5% 3.2x3.9 smd: 1(-8.17,0) 1(8.17,0)
  rrect70% 12x12.3 smd paste-11: 2(0,-0.15)
  silkscreen extent -6.63,-6.75 6.63,6.3, body extent -9.47,-6.72 9.47,5.35, height 3.16
T_LAIRD_35F0121-0SR-10 [mm] "Power supply FB 10A"
  rect 2.77x1.47 smd: 1(-1.79,0) 2(1.79,0)
  silkscreen extent -2.73,-1.6 2.73,1.6, body extent -2.54,-1.53 2.54,1.53, height 3.05
T_LITTELFUSE_0458 [mm] "Fast Fuse"
  rect 1.185x2.05 smd: 1(-1.232,0) 2(1.232,0)
  silkscreen extent -0.4,-0.82 0.4,0.82, body extent -1.51,-0.8 1.51,0.8, height 1.1
T_LITTLEFUSE_SMAJ30CA [mm] "Bidirectional ESD protection"
  rect 2.1x1.8 smd: 1(-2.2,0) 2(2.2,0)
  silkscreen extent -3.77,-1.35 2.55,1.35, body extent -2.25,-1.4 2.25,1.4, height 2.29
T_MC_CC4V-T1A [mm]
  rect 1.3x2.2 smd: 1(-2.1,0) 2(2.1,0)
  silkscreen extent -1.04,-1.02 1.04,1.02, body extent -2.5,-0.95 2.5,0.95, height 2.29
T_MOLEX_52435-2471 [mm] "DVI FFC Connector 0.5mm pitch"
  rrect12% 0.3x0.8 smd: 1(0,0) 2(0.5,0) 3(1,0) 4(1.5,0) 5(2,0) 6(2.5,0) 7(3,0) 8(3.5,0) 9(4,0) 10(4.5,0) 11(5,0) 12(5.5,0) 13(6,0) 14(6.5,0) 15(7,0) 16(7.5,0) 17(8,0) 18(8.5,0) 19(9,0) 20(9.5,0) 21(10,0) 22(10.5,0) 23(11,0) 24(11.5,0)
  rrect25% 2.4x3.05 smd: ""(-2.45,-1.925) ""(13.95,-1.925)
  silkscreen extent -3.67,-6.62 15.18,0.17, body extent -3.55,-6.2 15.05,0.4, height 2.07
T_MOLEX_74320-1004 [mm] "DVI-Connectors"
  rrect10% 1.3x1.3 hole 0.9: 1(8.89,9.63)
  round 1.3 hole 0.9: 2(10.8,9.63) 3(12.71,9.63) 4(14.62,9.63) 5(16.53,9.63) 6(18.44,9.63) 7(20.35,9.63) 8(22.26,9.63) 9(8.89,7.72) 10(10.8,7.72) 11(12.71,7.72) 12(14.62,7.72) 13(16.53,7.72) 14(18.44,7.72) 15(20.35,7.72) 16(22.26,7.72) 17(8.89,5.81) 18(10.8,5.81) 19(12.71,5.81) 20(14.62,5.81) 21(16.53,5.81) 22(18.44,5.81) 23(20.35,5.81) 24(22.26,5.81)
  oval 1.2x1.5 hole 0.7: C1(25.39,9.01) C2(27.94,9.01) C3(25.39,6.46) C4(27.94,6.46)
  oval 1.5x1.2 hole 0.7: C5(26.665,5.185) C5(26.665,10.285)
  round 3 hole 2: X1(3.04,5.81) X2(33.79,5.785)
  round 2 hole 2 unplated paste+0 mask+0: ""(8.89,2.51) ""(27.94,2.51)
  silkscreen extent -0.36,0 37.18,11.87, body extent -0.33,-6.25 37.17,11.55, height 10.22
T_MountingHoles#1 [mm] "PCB Mounting Holes"
  round 6.2 hole 3.2: 1(0,0)
T_MountingHoles#2 [mm] "PCB Mounting Holes"
  round 6.2 hole 3.2: 1(94,-94)
T_MURATA_DLW21SN900SQ2 [mm] "Common Mode Choke"
  rrect50% 0.75x0.42 smd: 1(-0.9,0.4) 2(0.9,0.4) 3(0.9,-0.4) 4(-0.9,-0.4)
  silkscreen extent -0.34,-0.55 0.34,0.55, body extent -1,-0.6 1,0.6, height 1.2
T_ON_NCV4264-2ST50T3G [mm] "SO4"
  rect 2x1.5 smd: 1(-3.15,2.3) 2(-3.15,0) 3(-3.15,-2.3)
  rect 2x3.8 smd: 4(3.15,0)
  silkscreen extent -3.73,-3.43 1.8,3.81, body extent -3.5,-3.25 3.5,3.25, height 1.7
T_PULSE_J00-0065NL [mm] "RJ45 Connector"
  round 1.5 hole 0.95: 1(12.575,-17.15) 2(11.305,-19.69) 3(10.035,-17.15) 4(8.765,-19.69) 5(7.495,-17.15) 6(6.225,-19.69) 7(4.955,-17.15) 8(3.685,-19.69)
  round 1.5 hole 1.02: 9(14.455,-5.9) 10(11.915,-7.42) 11(4.345,-5.9) 12(1.805,-7.42)
  round 2.1 hole 1.63: S1(0.255,-13.85) S2(16.005,-13.85)
  round 3.2 hole 3.2 unplated: ""(2.415,-10.8) ""(13.845,-10.8)
  silkscreen extent 0,-21.59 16.26,0, body extent 0.19,-21.75 16.07,0.09, height 13.32
"T_QFN50P400X400X100-23N (AOZ226x) - PIN22-NC_NOPASTE" [mm] "QFN, 23-Leads, Body 4.1x4.1mm (max), Pitch 0.50mm, IPC Medium Density"
  rect 0.55x0.25 smd mask+0.051: 1(-1.9,1.25) 2(-1.9,0.75) 3(-1.9,0.25) 4(-1.9,-0.25) 5(-1.9,-0.75) 6(-1.9,-1.25) 12(1.9,-1.25) 13(1.9,-0.75) 14(1.9,-0.25) 15(1.9,0.25) 16(1.9,0.75) 17(1.9,1.25)
  rect 0.25x0.45 smd mask+0.051: 7(-1.25,-1.95) 8(-0.75,-1.95) 9(-0.25,-1.95) 10(0.75,-1.95) 11(1.25,-1.95)
  rect 0.25x0.55 smd mask+0.051: 18(1.25,1.9) 19(0.75,1.9) 20(0.25,1.9) 21(-0.25,1.9) 22(-1.25,1.9)
  rect 0.25x0.55 smd paste-0.25 mask+0.051: 22-NC(-0.75,1.9)
  Top Layer region: -1.33,1.118 -1.073,1.375 -0.125,1.375 -0.125,-1.725 -1.33,-1.725
  Top Layer region: 1.33,1.375 0.48,1.375 0.48,-1.725 1.33,-1.725
  silkscreen extent -2.8,-2.05 2.05,2.05, body extent -2,-2 2,2, height 1
"T_QFN50P400X400X100-23N (AOZ226X) - PIN22-NC_NOPASTE" [mm] "QFN, 23-Leads, Body 4.1x4.1mm (max), Pitch 0.50mm, IPC Medium Density"
  rect 0.55x0.25 smd mask+0.051: 1(-1.9,1.25) 2(-1.9,0.75) 3(-1.9,0.25) 4(-1.9,-0.25) 5(-1.9,-0.75) 6(-1.9,-1.25) 12(1.9,-1.25) 13(1.9,-0.75) 14(1.9,-0.25) 15(1.9,0.25) 16(1.9,0.75) 17(1.9,1.25)
  rect 0.25x0.45 smd mask+0.051: 7(-1.25,-1.95) 8(-0.75,-1.95) 9(-0.25,-1.95) 10(0.75,-1.95) 11(1.25,-1.95)
  rect 0.25x0.55 smd mask+0.051: 18(1.25,1.9) 19(0.75,1.9) 20(0.25,1.9) 21(-0.25,1.9) 22(-1.25,1.9)
  rect 0.25x0.55 smd paste-0.25 mask+0.051: 22-NC(-0.75,1.9)
  Top Layer region: -1.33,1.118 -1.073,1.375 -0.125,1.375 -0.125,-1.725 -1.33,-1.725
  Top Layer region: 1.33,1.375 0.48,1.375 0.48,-1.725 1.33,-1.725
  silkscreen extent -2.8,-2.05 2.05,2.05, body extent -2,-2 2,2, height 1